# Altium PCB KS_V3S_0.2.PcbDoc (continued)
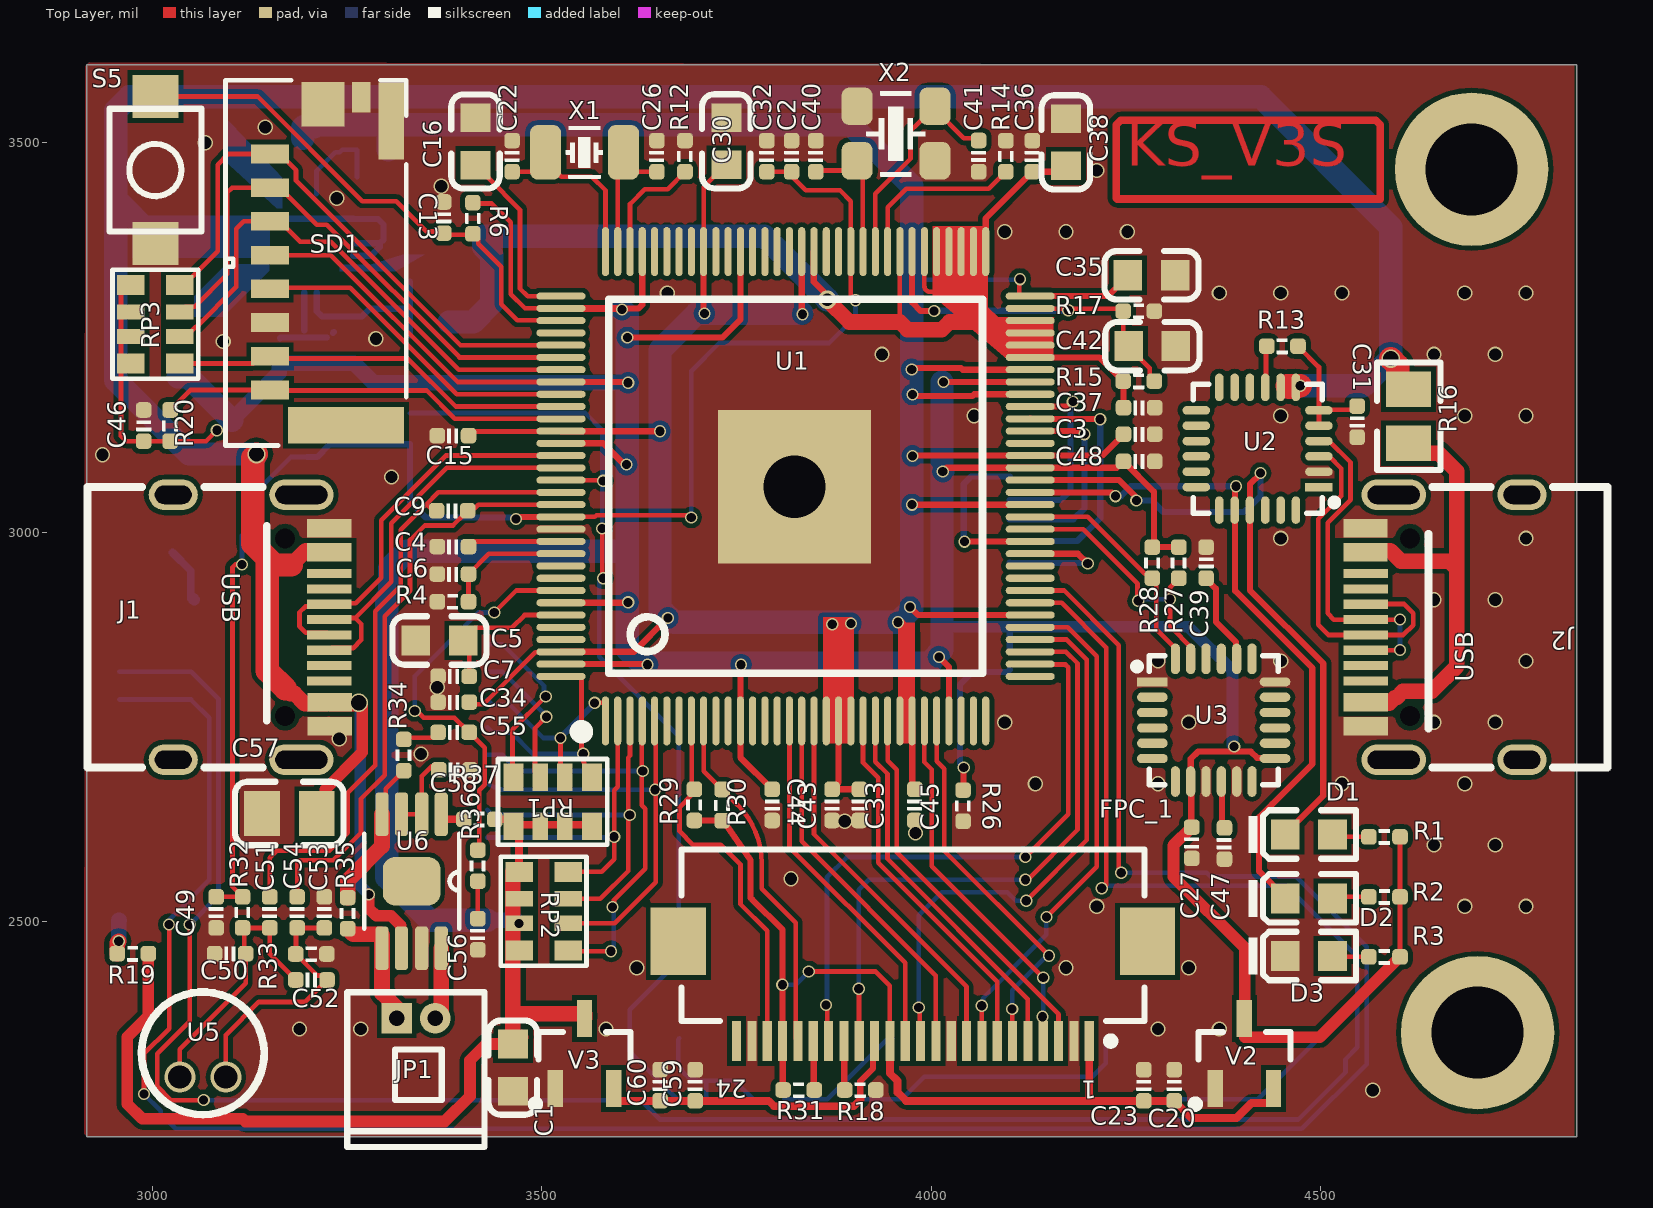
[diagram p0: Top Layer view]
## Part data
A1: "IPX"
C1 C2 C3 C4 C5 C6 C7 C8 C9 C10 C11 C12 C13 C14 C15 C16 C17 C18 C19 C20 C21 C22 C23 C24 C25 C26 C27 C28 C29 C30 C31 C32 C33 C34 C35 C36 C37 C38 C39 C40 C41 C42 C43 C44 C45 C46 C47 C48 C59 C60: library part CAP
C49 C50 C51 C52 C53 C54: library part CAP, "SMD-CAP"
C55: library part 电容-0603, "Capacitor"
C56 C57 C58: library part 电容-0402, "Capacitor"
D1 D2 D3: library part "0603 白灯", "发光二极管", Package=0603, SuppliersPartNumber=C2290, ComponentLink1Description=供应商链接, ComponentLink1URL=http://www.szlcsc.com/product/details_2663.html, Supplier=LC
EA1: library part EA3036
J1 J2: library part USB_C
JP1: library part "Header 2", "2P接插件", BOM名称=2P接插件, 学习资源=www.ooocke.com, 版权归属=源创客
L1 L2 L3: library part L1, "电感"
R1 R2 R3 R4 R5 R6 R7 R8 R9 R10 R11 R12 R14 R15 R17 R18 R19 R20 R26 R27 R28 R29 R30 R31 R32 R33: "Resistor", LatestRevisionDate=17-Jul-2002, LatestRevisionNote="Re-released for DXP Platform.", PackageReference=AXIAL-0.4, Published=8-Jun-2000, Publisher="Altium Limited"
R13: library part RES, "普通电阻"
R16: library part Res2, "Resistor", LatestRevisionDate=17-Jul-2002, LatestRevisionNote="Re-released for DXP Platform.", PackageReference=AXIAL-0.4, Published=8-Jun-2000, Publisher="Altium Limited"
R21 R22 R23 R24 R25: library part R
R34 R35 R36 R37: library part 电阻-0402, "Resistor"
RP1 RP2 RP3: library part 224, BOM名称=贴片网络排阻, 学习资源=www.ooocke.com, 版权归属=源创客
S1 S2 S3 S4 S5: library part SW-PB, "Switch", LatestRevisionDate=17-Jul-2002, LatestRevisionNote="Re-released for DXP Platform.", PackageReference=SPST-2, Published=24-Mar-1999, Publisher="Altium Limited"
U2: library part CP2104
U6: library part LM4871
V1 V2 V3: library part XC6206P332MR, "低压差线性稳压芯片", BOM名称=低压差线性稳压芯片, 学习资源=www.ooocke.com, 版权归属=源创客
X1: library part XTAL_32.768k, "Crystal Oscillator"
X2: library part XTAL_3225_4P, "Crystal Oscillator", Type=XTAL3225

## Free pads (board coordinates)
  round 196.85 hole 118.11: 2(4694,3466) 2(4701.63,2357.53)
  round 100 hole 80: 3(3824.5,3058.62)

## Via types
v1: diameter 15.75, hole 11.81, Top Layer to Bottom Layer, tented both sides, 85 vias
v2: diameter 19.68, hole 15.75, Top Layer to Bottom Layer, tented both sides, 60 vias
v3: diameter 23.62, hole 19.68, Top Layer to Bottom Layer, tented both sides, 3 vias
v4: diameter 23.62, hole 15.75, Top Layer to Bottom Layer, tented both sides, 1 vias

## Nets (pads, with @x,y where several pads share a name; then routed paths per layer and width w, separated by ;. In a path a pad name is that pad's centre, name@x,y a point inside that pad or via, vN(x,y) a via of type N, cw(c..) or ccw(c..) an arc to the next point about the centre after c; other vN are vias at no path point)
1V2: C3.1 C11.2 C12.1 C15.2 C30.1 C33.2 C34.2 C35.2 C43.2 C45.2 L1.2 R5.2 U1.19 U1.20 U1.21 U1.25 U1.26 U1.38 U1.47 U1.51 U1.56 U1.58 U1.64 U1.80 U1.88 U1.108 U1.126 | length 4787.8
  Top Layer w6: C15.2 3411.43,3129.38 3524.2,3129.38 U1.108 ; C34.2@3407,2779.33 3425.33,2779.33 3491.91,2845.91 3524.2,2845.91 U1.126 ; U1.88 3707.89,3443.56 3736.02,3471.68 C30.1 ; v1(4114,3325) 4113,3324 4113,3304.6 4114.41,3303.19 U1.64
  Top Layer w8: U1.126 3618.5,2846.5 v1(3662,2890) ; U1.108 3524.93,3129.81 3651.33,3129.81 v1@3651.52,3130 ; U1.88 3707.89,3282.11 v1(3709,3281) ; U1.80 3833.87,3281.13 v1(3835,3280) ; U1.20 3881.12,2678.66 3873,2670.54 C43.2 C33.2 ; U1.21 3896.87,2882.87 v1(3897,2883) ; v1(3957.5,2884.46) 3962.54,2884.46 3975.61,2871.39 U1.26 3975.81,2757.68 3975.81,2673.19 C45.2 ; v1(3973,2904) 3983.26,2893.74 U1.38 ; v1@3975,3035 v1(3975.47,3035.47) U1.47 ; v1(3975,3209) 3977.1,3209 3978.97,3210.87 4038.28,3210.87 4040.45,3208.7 U1.58 ; v1(3976,3098) 3976.46,3098.46 U1.51 4219.46,3098.46 4246.46,3125.46 4246.46,3126 C3.1 ; v1(3976,3177) 3978.1,3177 3979.97,3175.13 4053.14,3175.13 4055.22,3177.2 U1.56 ; U1.64 4226.86,3303.19 4252.69,3329.02 C35.2
  Bottom Layer w6: 3975,3324 4113,3324 v1(4114,3325)
  Bottom Layer w30: L1.2 3193.28,3519.31 3194.5,3520.53 3207.8,3520.53 3210.28,3523 3303,3523 ; R5.2 3303,3523 ; v1@3662.94,2890.94 3651.85,2902.04 v1(3651.85,3129.67) 3651.85,3233.85 3699,3281 v1(3709,3281) v1@3834,3281 ; 3669.42,2884.46 v1(3957.5,2884.46) v1@3975.02,2901.98 ; v1(3975,3209) 3975,3324 3975,3445 3897,3523 3335,3523 3303,3523 ; v1@3975.07,2904 v1@3975.07,3209
  other v1: 3873,2882
1V5: C59.1 C60.1 FPC_1.15 V3.2 | length 421
  Top Layer w8: C59.1@3695.61,2267 C59.1@3696.61,2266 ; 3909,2271.37 3909,2295.21 3925.47,2311.68 3925.47,2344.84 FPC_1.15
  Top Layer w10: V3.2 3592.4,2274.84 3597.24,2270 C60.1 3692.61,2270 C59.1@3695.61,2267 ; C59.1 3791.37,2270 3798.37,2263 3900.63,2263 3909,2271.37 3909.54,2271.91
1V8: C24.2 C25.1 C36.2 C37.2 C38.2 L3.2 R10.2 R15.1 U1.59 U1.60 U1.61 U1.62 U1.65 U1.66 U1.67 U1.68 U1.69 U1.70 U1.72 U1.79 | length 1417.1
  Top Layer w6: 3959.86,3277.48 U1.72 ; U1.70 3991.35,3315.98 ccw(c3998.48,3315.98) 3998.48,3308.85 4016.15,3308.85 4019,3306 ; 4052,3265 4057,3270
  Top Layer w8: U1.79 3849.42,3360.11 3849.42,3332.39 3849.35,3332.32 3849.35,3321.65 3866.58,3304.41 v4(3866.58,3298.58) ; U1.65 4070.09,3402.97 C36.2 4165.65,3462.87 C38.2 ; U1.59 4216.18,3224.45 R15.1 4246.81,3193.81 4246.81,3160.19 C37.2
  Top Layer w20: v4(3866.58,3298.58) 3866.58,3298.4 3894.99,3270 3959.86,3270 3969.7,3260.16 4013.76,3260.16 4023.61,3270 4057,3270
  Bottom Layer w30: 3381,3270 3412,3270 3436,3294 3436,3355.97 3425.28,3366.69 L3.2 3785.91,3380 3866.58,3299.33 v4(3866.58,3298.58)
2V8: C20.1 C23.1 FPC_1.1 FPC_1.14 FPC_1.21 R29.2 R30.2 R31.1 V2.2 | length 1372.8
  Top Layer w6: v1(3843,2436) 3928.98,2436 3947.06,2417.92 FPC_1.14
  Top Layer w8: R29.2 3696.11,2629.89 3731.53,2629.89 R30.2 3736.33,2625.09 3768.22,2579.17 3768.22,2530.78 3770.56,2528.44 3809.26,2489.74 ; v1@3809.26,2419 3809.26,2489.74 ; R31.1 3809.63,2284.37 3809.63,2346.38 FPC_1.21 3809.26,2489.74
  Top Layer w10: FPC_1.14 3947.06,2305.55 3957,2295.61 3957,2280.86 3967.86,2270 4205,2270 ; FPC_1.1 4202.96,2272.04 4205,2270 ; V2.2 4439.61,2272.06 4434.77,2267.22 4411.22,2267.22 4392,2248 4334,2248 C20.1 C23.1 4205,2270
  Bottom Layer w6: v1(3809,2419) 3826,2419 v1(3843,2436)
3V0: C2.1 C28.1 C29.1 C32.1 C49.1 R21.1 R32.2 U1.76 U1.115 V1.2 | length 1949.5
  Top Layer w6: C49.1 R32.2 3103.03,2544.97 3103.03,2954.93 3106.93,2958.83 3107.14,2958.62 v1(3115.23,2958.62) ; U1.115 3568.21,3019.72 3570.36,3021.87 3686.49,3021.87 3689.36,3019 v1(3692,3019) ; C32.1 3815.13,3462.87 3839,3439 3883,3439 3896.87,3425.13 U1.76 3896.87,3304.13 v1(3903,3298)
  Top Layer w8: v1(3467,3017) 3469.1,3017 3471.82,3019.72 U1.115
  Bottom Layer w6: v1(3115.23,2958.62) 3115.23,2996.36 3120.1,3001.23 3129,3010.13 3129,3047.73 3177.87,3096.6 V1.2 ; v1(3692,3019) 3692,3207 3728,3243 3869,3243 3903,3277 v1(3903,3298)
  Bottom Layer w8: V1.2 3211.78,3096.6 3228.18,3113 C29.1 C28.1 R21.1 3331,3039 3351,3019 3465,3019 v1(3467,3017)
3V3: C1.2 C18.2 C19.1 C27.1 C44.2 C46.2 C48.2 L2.2 R1.1 R2.1 R3.1 R6.2 R8.2 R19.1 R20.1 R27.2 R28.2 R37.1 RP1.5 RP1.6 RP1.7 RP1.8 RP2.1 RP2.2 RP2.3 RP2.4 RP3.1 RP3.2 RP3.3 RP3.4 SD1.4 ST7789.3 ST7789.4 U1.12 U1.29 U1.50 U1.57 U1.85 U1.93 U1.98 U1.104 U1.109 U1.122 U1.127 U3.8 U3.13 U4.9 U4.22 V1.3 V2.3 V3.3 | length 8091.6
  Top Layer w6: RP3.1 2969.8,3317.39 2960,3307.6 2960,3123.51 2966.51,3117 R20.1 3069,3117 v1(3083,3131) ; SD1.4 3229.25,3355.84 3392.14,3192.95 U1.104 ; R6.2 3412.82,3422 3436,3422 3460.13,3397.87 3460.13,3305.87 3478.56,3287.44 U1.98 ; R3.1 R2.1 R1.1
  Top Layer w8: U1.127 3635.25,2830.75 v1(3636,2830) ; U1.122 3610.49,2909.49 v1(3611,2910) ; U1.109 3578.79,3114.21 3606,3087 v1(3609,3087) ; U1.104 3610.05,3192.95 v1(3611,3192) ; U1.98 3624.46,3287.44 3629.15,3292.13 U1.93 ; v1(3610,3250) 3732,3250 3755.13,3273.13 U1.85 ; v1(3756,2830) 3755.13,2829.13 U1.12 3755.13,2710.87 C44.2 ; v1(4010,2840) 4022.85,2827.15 U1.29 ; v1(4015,3078) 4019.72,3082.72 U1.50 4238.18,3082.72 4246.46,3091 C48.2 4286,3052 4286,2983 R28.2 R27.2 ; v1(4016,3193) v1(4016,3193) U1.57 ; C27.1@4333.04,2623.04 4333.92,2623.92 4333.92,2679.31 U3.8 4333.23,2709.1 4342.6,2718.47 4410.6,2718.47 4418.83,2710.25 4440.77,2710.25 U3.13
  Top Layer w10: R37.1 3455.81,2631.5 RP1.5@3463.01,2624.3 ; RP2.1 3471.01,2616.29 RP1.5@3463.01,2624.29 ; 3550.39,2624.5 3463.22,2624.5 RP1.5@3463.01,2624.29
  Top Layer w15: R19.1 2995,2379 2968,2352 2968,2266 2987,2247 3116.08,2247 3119.45,2243.63 3375.63,2243.63 3408,2276 3408,2322 3429,2343 C1.2 ; C27.1 4311.1,2597.97 4311.1,2557.9 4402.6,2466.4 4402.6,2351.84 4498.84,2351.84 R3.1
  Top Layer w20: RP2.1@3463,2564 RP2.3@3463,2489.85 ; v1(3471.01,2497.86) 3463.45,2497.86 3463.29,2497.7 3463.29,2490.14 RP2.3@3463,2489.85 ; C1.2@3472.83,2351.84 3463.99,2343 C1.2 3463,2382 ; V3.3 3555,2381.84 3554.84,2382 3463,2382 ; 3463,2382 RP2.3@3463,2489.85
  Bottom Layer w8: R8.2@3198,3212 3232,3212 C19.1 ; ST7789.3 ST7789.4
  Bottom Layer w15: 4014.01,2877.01 4015.68,2878.68 ST7789.4 4330.32,2878.68 4387,2822 4387,2727 v1(4389,2725)
  Bottom Layer w20: 3102.03,3144 3163,3204.97 C18.2 3167,3217 3259,3217 3284,3192 3610,3192 v1(3611,3192) ; U4.22 3430.16,2501.68 3467.19,2501.68 v1(3471.01,2497.86)
  Bottom Layer w30: L2.2 3046.31,3199.72 3102.03,3144 ; U4.22 3356.17,2501.83 3301,2557 3301,2915.22 3304.67,2918.89 3304.67,2953.45 3326.75,2975.53 3608.53,2975.53 3610,2977 ; v1(3603,3286) 3610,3279 v1(3610,3250) 3610,3192 3610,2977 ; 3627.57,2832 3610,2849.57 3610,2977 ; v1@3636,2832 3998.8,2832 3998.8,2833.8 4014,2849 4014,2877 4014.01,3077.01 v1(4015,3078) ; v1@4014,3078 v1@4014,3193
5V: C10.1 C14.1 C17.1 C21.1 C57.2 EA1.7 EA1.8 EA1.9 EA1.10 EA1.16 EA1.18 EA1.19 J1.A4 J1.A9 J1.B4 J1.B9 R16.1 U2.7 U2.8 U6.6 | length 4017.7
  Top Layer w15: C57.2@3222.04,2633 3222.04,2669.81 3269.82,2717.59 3269.82,2775.97 3265,2780.8 v3(3265,2781) 3264.8,2781 3261.03,2777.23 J1.A9@3229.38,2777.23 ; v1(3278,2535) 3278,2517 3287.5,2507.5 3306.6,2507.5 3319,2495.1 3319,2467 U6.6
  Top Layer w20: 3171,2799 3176.98,2793.02 3182.62,2793.02 3195.91,2779.73 J1.A9@3223.69,2779.73 ; 3178.57,2957.99 3196.86,2976.27 J1.A4@3223.37,2976.27
  Top Layer w30: v3(3133.84,3100.41) 3129.23,3095.8 3129.23,2985.46 3147.69,2967 ; 3171,2799 3147.69,2822.31 3147.69,2967 ; 3178.57,2957.99 3156.7,2957.99 3147.69,2967 ; U2.7 4459,3186 4457,3188 v1(4473.9,3188) ; v3(4590,3223) 4599.06,3213.94 4599.06,3191.28 4606.9,3183.45 R16.1
  Bottom Layer w8: EA1.10 EA1.16 3258.35,3402.37 3289.63,3402.37 3297,3395 3297,3375.69 3292.31,3371 ; EA1.19 3258.35,3355.13 3280.87,3355.13 3292.31,3366.56 3292.31,3371 ; EA1.18 3292.31,3371
  Bottom Layer w15: v3(3265,2781) 3267,2779 3267,2546.2 3278,2535.2 v1(3278,2535)
  Bottom Layer w30: 2956,3425 2997,3384 2997,3381 ; v3(3133.84,3100.41) 3047.59,3100.41 2953,3195 2953,3425 2953,3541.43 2970.57,3559 4423,3559 4590,3392 v3(4590,3223) 4555,3188 v1(4473.9,3188)
5V_IN: J2.A4 J2.A9 J2.B4 J2.B9 R16.2 | length 556.2
  Top Layer w20: J2.A9@4561.78,2976.27 4589.55,2976.27 4602.84,2962.98 4665.02,2962.98 4675,2953 ; 4588.38,2780.72 4595.1,2787.44 4597.28,2787.44 4605.83,2796 4643,2796 4675,2828 4675,2953 ; R16.2 4625.83,3101.72 4651.28,3101.72 4675,3078 4675,2953
D+: J1.A6 J1.B6 U1.111 | length 499.7
  Top Layer w6: J1.B6 3230.37,2851.38 3257.86,2851.38 3268.25,2861.78 3268.25,2882.24 3260.58,2889.91 ; J1.A6 3229.53,2889.91 3260.58,2889.91 ; U1.111 3378.22,3082.72 3307,3011.5 3307,2936.33 3260.58,2889.91
D-: J1.A7 J1.B7 U1.110 | length 523.3
  Top Layer w6: J1.A7 3224.56,2871.07 3197.07,2871.07 3189,2879.14 3189,2897 3196.63,2904.63 3224.56,2904.63 J1.B7 3228.93,2909 3261.18,2909 3294,2941.83 3294,3015.47 3376.99,3098.46 U1.110
"DCMI RST": FPC_1.19 R31.2 | length 63.3
  Top Layer w8: FPC_1.19 3849.32,2346.06 3849.32,2284.68 R31.2
EPHY-LINK-LED: U1.77
EPHY-RTX: R12.2 U1.94 | length 148.9
  Top Layer w6: U1.94 3613.4,3421.4 3632.5,3440.5 3661.63,3440.5 R12.2
EPHY-RXN: U1.89
EPHY-RXP: U1.90
EPHY-SPD-LED: U1.78
EPHY-TXN: U1.91
EPHY-TXP: U1.92
GLED: D2.K U1.48 U2.20 | length 884.4
  Top Layer w8: U1.48 4231.78,3051.22 v1(4236.62,3046.38) ; v1(4391.44,3059) 4390.21,3057.77 4390.21,3028.52 4390.21,2924.99 4489.42,2825.78 4489.42,2702.42 4438,2651 4421,2634 4421,2564.67 4454.69,2530.98 D2.K
  Bottom Layer w8: v1(4236.62,3046.38) 4243.71,3046.38 4256.33,3059 v1(4391.44,3059)
GND: C1.1 C2.2 C3.2 C4.2 C5.1 C6.2 C7.1 C8.2 C10.2 C11.1 C13.2 C14.2 C15.1 C16.2 C17.2 C18.1 C20.2 C21.2 C22.2 C23.2 C24.1 C26.2 C27.2 C28.2 C29.2 C30.2 C31.2 C32.2 C33.1 C34.1 C35.1 C36.1 C37.1 C38.1 C39.2 C40.2 C41.2 C42.2 C43.1 C44.1 C45.1 C46.1 C47.1 C48.1 C49.2 C50.1 C53.1 C56.1 C57.1 C58.1 C59.2 C60.2 D3.K EA1.1 EA1.4 EA1.5 EA1.12 EA1.13 EA1.15 EA1.17 EA1.21 FPC_1.2 FPC_1.10 FPC_1.23 J1.A1 J1.A12 J1.B1 J1.B12 J2.A1 J2.A12 J2.B1 J2.B12 pad.3 R4.2 R7.1 R9.1 R11.1 R12.1 R14.1 R17.1 R18.2 R26.2 R33.2 S1.1 S2.1 S3.1 S4.1 S5.2 SD1.6 SD1.10 ST7789.1 ST7789.5 ST7789.6 ST7789.12 U1.116 U1.129 U2.2 U3.1 U3.9 U3.11 U3.18 U4.1 U4.3 U4.20 U4.31 U4.33 U4.36 U4.41 U4.44 U6.7 V1.1 V2.1 V3.1 X2.2 X2.4
  other v2: 4566.93,2283.47 3188.98,2362.21 3267.72,2362.21 3582.68,2362.21 4291.34,2362.21 4370.08,2362.21 3622.05,2440.95 4173.23,2440.95 4330.71,2440.95 4212.6,2519.69 4685.04,2519.69 4763.78,2519.69 3820,2555 4645.67,2598.43 4724.41,2598.43 3980,2614 3889,2629 4133.86,2677.17 4291.34,2677.17 4527.56,2677.17 4685.04,2677.17 3345.15,2715.41 3240,2735 4094.49,2755.91 4330.71,2755.91 4645.67,2755.91 4724.41,2755.91 3366,2801 4291.34,2834.65 4448.82,2834.65 4763.78,2834.65 4645.67,2913.39 4724.41,2913.39 4448.82,2992.13 4763.78,2992.13 3307.09,3070.87 2936.15,3099.41 4055.12,3149.61 4448.82,3149.61 4685.04,3149.61 4763.78,3149.61 3937.01,3228.35 4645.67,3228.35 4724.41,3228.35 3091,3245 3287.15,3248.41 3661.42,3307.09 4370.08,3307.09 4448.82,3307.09 4527.56,3307.09 4685.04,3307.09 4763.78,3307.09 4094.49,3385.83 4173.23,3385.83 4251.97,3385.83 3237,3429 3371.15,3444.41 4212.6,3464.57 3068,3500 3145,3520
HBIAS: U1.119
HPCOM: U1.125
HPCOMFB: U1.124
HPOUTL: C55.2 R36.2 U1.121 | length 522.2
  Top Layer w6: v1(3337.15,2770.58) 3339.78,2770.58 3348.37,2762 3388,2762 C55.2 3426.93,2723.07 3426.93,2675.93 3420,2669 3420,2594 R36.2 ; v1(3439,2897) 3467.24,2925.24 U1.121
  Bottom Layer w6: v1(3337.15,2770.58) 3337.15,2815.41 3418.74,2897 v1(3439,2897)
HPOUTR: U1.120
HPVCCBP: C5.2 C7.2 U1.123 | length 189.2
  Top Layer w6: C7.2 3407,2853 C5.2 3399,2861.98 3414.31,2877.29 3461.59,2877.29 3478.04,2893.74 ; 3478.09,2893.74 U1.123
KEYADC0: C8.1 R21.2 R22.2 U1.112 | length 1271.2
  Top Layer w6: U1.112 3577.03,3066.97 3578,3066 v1(3579,3066) ; v1(3577.57,3004.77) 3577.57,2942.43 v1(3579,2941)
  Bottom Layer w6: R21.2 3331.07,3153.07 C8.1 C8.1 3555.85,3153.15 3578,3131 3578,3067 v1(3579,3066) 3577.57,3064.57 v1(3577.57,3004.77) ; v1(3579,2941) 3577.51,2941 3574,2937.49 3574,2840 3676,2738 3676,2444.51 3672.49,2441 3667,2441 3613,2387 3613,2333 R22.2
MCSI-CKN: U1.87
MCSI-CKP: U1.86
MCSI-D0N: U1.82
MCSI-D0P: U1.81
MCSI-D1N: U1.84
MCSI-D1P: U1.83
MICIN1N: C9.1 C54.2 U1.114 | length 755.9
  Top Layer w6: C54.2 3186,2575.5 3189.51,2579.01 3232.52,2579.01 3268,2614.49 3268,2657.74 3298.32,2688.06 3298.32,2892.32 3331,2925 3331,2990 3349.67,3008.67 3386.04,3008.67 3400.37,3023 3406,3023 3418.47,3035.47 U1.114
MICIN1P: C9.2 C51.2 U1.113 | length 825.9
  Top Layer w6: C51.2 3151,2582 3160.01,2591.01 3227.55,2591.01 3251,2614.46 3251,2665.34 3286.32,2700.66 3286.32,2898.69 3319,2931.36 3319,3003 3351,3035 ; C9.2@3366,3023 3364.92,3023 3352.92,3035 3351,3035 ; U1.113 3367.22,3051.22 3351,3035
NetA1_1: A1.1 U4.2 | length 72.1
  Bottom Layer w10: A1.1 3049.59,2950.41 3049.59,2917.68 U4.2
  Bottom Layer w15: U4.2 U4.2@3053.86,2913.41
NetC12_2: C12.2 EA1.14 R5.1 R7.2 | length 128.2
  Bottom Layer w6: EA1.14 3210.98,3463.98 C12.2 3234.77,3487.77 3240.77,3487.77 3244,3491 R5.1 R7.2
NetC19_2: C19.2 EA1.3 R8.1 R9.2 | length 110.8
  Bottom Layer w8: R9.2 3165,3250 C19.2@3224,3250 ; R8.1@3195.11,3259.11 3195.11,3307.88 EA1.3 ; C19.2@3232,3256 C19.2@3233,3257
NetC25_2: C25.2 EA1.2 R10.1 R11.2 | length 220.1
  Bottom Layer w8: EA1.2 3211.11,3307.88 3211.11,3283.89 3218,3277 3269.23,3277 3279.23,3287 R10.1 ; C25.2 R10.1 ; R11.2 R10.1
NetC31_1: C31.1 R13.2 U2.5 U2.6 | length 164.7
  Top Layer w6: R13.2 4497.9,3212.1 U2.6 ; U2.5 U2.6 ; C31.1 4542.43,3157.43 4498.86,3157.43 U2.6
NetC39_1: C39.1 U3.20 | length 119.8
  Top Layer w8: C39.1 4353,2940.46 4365.69,2927.77 4365.69,2884.94 4391.56,2859.07 4391.56,2838.2 U3.20
NetC47_2: C47.2 U3.10 | length 56.6
  Top Layer w8: U3.10 4373.33,2679.26 C47.2@4373.33,2623.74
NetC50_2: C50.2 C51.1 C52.1 R32.1 U5.2 | length 343.7
  Top Layer w6: U5.2 3035.47,2336.47 3120,2421 C50.2 3118,2461 3118,2490 R32.1 C51.1 3151,2458.65 C52.1
NetC52_2: C52.2 C53.2 C54.1 R33.1 U5.1 | length 336.4
  Top Layer w6: U5.1 3094.53,2354.53 3137,2397 3196.21,2397 C52.2 3218.66,2430.98 3211.82,2430.98 R33.1 ; R33.1@3183,2459 3184.5,2460.5 3184.5,2490.5 C54.1 C53.2
NetC55_1: C55.1 R34.1 | length 31.7
  Top Layer w6: 3334,2736.33 C55.1@3365.67,2736.33
NetC56_2: C56.2 R36.1 | length 48
  Top Layer w6: C56.2 R36.1
NetC58_2: C58.2 U6.2 U6.3 | length 100.2
  Top Layer w6: U6.3 U6.2 3346,2687 3358.23,2699.23 3360.15,2699.23 C58.2@3363.04,2702.12 ; C58.2@3365.93,2693.11 C58.2@3365.93,2695.03
NetD1_A: D1.A R1.2 | length 47.9
  Top Layer w6: D1.A 4518.32,2609 R1.2
NetD2_A: D2.A R2.2 | length 47.5
  Top Layer w6: D2.A 4517.32,2532 R2.2
NetD3_A: D3.A R3.2 | length 47.1
  Top Layer w6: D3.A 4516.32,2455 R3.2
NetEA1_6: EA1.6 L2.1
NetEA1_11: EA1.11 L1.1
NetEA1_20: EA1.20 L3.1
NetJP1_1: JP1.1 R35.2 U6.5 | length 161.9
  Top Layer w20: R35.2 3258,2484 3293.5,2484 3295,2482.5 U6.5 3295,2408.39 3314,2389.39 JP1.1
NetJP1_2: JP1.2 U6.8 | length 84.4
  Top Layer w20: JP1.2@3371,2381.61 U6.8
NetR13_1: R13.1 U2.9 | length 53.8
  Top Layer w6: U2.9 4429.96,3186.96 4429.96,3237.96 R13.1
NetR19_2: R19.2 U4.34 | length 44.1
  Top Layer w20: R19.2 2955,2473 v1(2957,2475)
  Bottom Layer w20: v1(2957,2475) 2957,2501.68 2957.16,2501.83 U4.34
NetR22_1: R22.1 R23.2 S1.2 | length 173.6
  Bottom Layer w6: S1.2 3675.42,2348.79 3675.42,2324.58 ccw(c3704,2324.58) 3704,2296 3711.46,2296 ; R22.1 3711.46,2274.54 3711.46,2296 ; R23.2 3747.5,2296 3711.46,2296
NetR23_1: R23.1 R24.2 S2.2 | length 171.4
  Bottom Layer w6: R23.1 R24.2 3944.94,2350.19 S2.2
NetR24_1: R24.1 R25.2 S3.2 | length 368.6
  Bottom Layer w6: R24.1 R25.2 3991,2301 4207,2301 4224.15,2318.15 S3.2
NetR25_1: R25.1 S4.2 | length 528.2
  Bottom Layer w6: R25.1 4419.63,2272 S4.2
NetR26_1: R26.1 ST7789.2 | length 207.6
  Top Layer w8: R26.1@4041,2671 4041.5,2671.5 4041.5,2697.5 v1(4042,2698)
  Bottom Layer w8: v1(4042,2698) 4037,2703 4037,2804 4053.67,2820.67 4098.11,2820.67 ST7789.2
NetR34_2: R34.2 R35.1 U6.4 | length 192.8
  Top Layer w6: U6.4 3299.73,2642.73 3299.73,2670.73 R34.2
  Top Layer w20: R35.1 3251,2553 3295,2597 U6.4
NetR37_2: R37.2 U6.1 | length 33.4
  Top Layer w10: U6.1 3371,2635 3374.5,2631.5 R37.2
NetRP1_3: RP1.3 U4.13 | length 187.4
  Top Layer w6: RP1.3 3491.41,2692.34 3491.41,2747.78 3491.09,2748.09 v1(3506,2763)
  Bottom Layer w6: U4.13 3449.69,2820.73 3506,2764.42 v1(3506,2763)
NetRP1_4: RP1.4 U4.12 | length 231.4
  Top Layer w6: RP1.4 3462.5,2686.6 3462.5,2746.5 v1(3505.14,2789.14)
  Bottom Layer w6: U4.12 3449.69,2856.17 3503,2802.85 3503,2796 3503.28,2795.72 3503.28,2791.01 v1(3505.14,2789.14)
PB0/UART2_TX/PB_EINT0: U1.39 U4.43 | length 3188.1
  Top Layer w6: v1(3048.12,2496.37) 3048.12,2372.15 3006.47,2330.5 3006.47,2288.55 3024.03,2271 v1(3066,2271) ; U1.39 4167.51,2909.49 4225,2852 v1@4225,2547
  Bottom Layer w6: U4.43 3050.27,2820.73 3085,2786 3085,2533.25 v1(3048.12,2496.37) ; v1(3066,2271) 3627,2271 3652,2246 4471,2246 4532,2307 4532,2323.56 4547.18,2338.74 4547.18,2454.82 4456,2546 4222,2546 v1(4219,2543)
PB1/UART2_RX/PB_EINT1: U1.40 U4.42 | length 3208.1
  Top Layer w6: v1(2989.37,2278.85) 2989.37,2330.37 3021.68,2362.68 v1(3021.68,2496.46) ; U1.40 4170.76,2925.24 4241,2855 v1@4241,2563
  Bottom Layer w6: U4.42 3049.7,2785.3 3073,2762 3073,2554 3021.68,2502.68 v1(3021.68,2496.46) ; v1(2989.37,2278.85) 3010.79,2257.43 3010.79,2253.55 3030.34,2234 4475.97,2234 4559.18,2317.21 4559.18,2467.82 4469,2558 4359,2558 4354,2563 v1(4244,2563)
PB2/UART2_RTS/PB_EINT2: U1.41
PB3/UART2_CTS/PB_EINT3: U1.42
PB4/PWM0/PB_EINT4: ST7789.7 U1.43 | length 179.5
  Top Layer w8: U1.43 4188.52,2972.48 v1(4201,2960)
  Bottom Layer w8: ST7789.7 4101.68,2960.68 4200.32,2960.68 v1(4201,2960)
PB5/PWM1/PB_EINT5: ST7789.11 U1.44 | length 221.8
  Top Layer w8: v1(4042.88,2988) 4042.99,2988.11 4127.1,2988.11 U1.44
  Bottom Layer w8: v1(4042.88,2988) 4042,2988.88 4042,3062 4051.59,3071.59 ST7789.11
PB6/TWI0_SCK/PB_EINT6: R27.1 U1.45 U3.23 | length 349.6
  Top Layer w6: U1.45 4195.02,3003.98 4265,2934 4265,2913 v1(4266,2912) ; R27.1 4318,2939.92 4306.63,2928.55 v1(4306.63,2914) 4306.63,2882.14 ccw(c4313.61,2882.14) 4308.68,2877.2 4333.23,2852.65 U3.23
  Bottom Layer w6: v1(4266,2912) 4268,2914 v1(4306.63,2914)
PB7/TWI0_SDA/PB_EINT7: R28.1 U1.46 U3.24 | length 307.8
  Top Layer w6: U1.46 4201.28,3019.72 4274.23,2946.77 4278.23,2946.77 R28.1@4285.83,2939.17 ; R28.1 4289.17,2935.83 4289.17,2875.49 4313.55,2851.11 U3.24
PB9/TWI1_SDA/UART0_RX/PB_EINT9: D1.K U1.49 U2.21 | length 881.5
  Top Layer w8: U1.49 4241.31,3066.97 4263.52,3044.76 v1(4263.52,3040.91) ; v1(4423,3076) 4423,3075.26 4409.31,3061.58 U2.21 4409.31,2925.68 4503.42,2831.58 4503.42,2661.72 4454.69,2612.98 D1.K
  Bottom Layer w8: v1(4263.52,3040.91) 4283.2,3040.91 4298.11,3026 4402,3026 4423,3047 v1(4423,3076)
PC0/SPI_MISO: U1.52
PC1/SPI_CLK: ST7789.9 U1.53 | length 268.4
  Top Layer w8: U1.53 4193.04,3129.96 v1(4197,3126)
  Bottom Layer w8: ST7789.9 4182.47,3016.47 4197,3031 v1(4197,3126)
PC2/SPI_CS: ST7789.8 U1.54 | length 345.1
  Top Layer w8: U1.54 4127.41,3145.51 4216.49,3145.51 v1(4217,3145)
  Bottom Layer w8: ST7789.8 4187.91,2988.91 4217,3018 v1(4217,3145)
PC3/SPI_MOSI: ST7789.10 U1.55 | length 255.6
  Top Layer w8: U1.55 4175.71,3161.46 v1(4181.96,3167.71)
  Bottom Layer w8: ST7789.10 4166.28,3041.28 4179,3054 4179,3164.74 v1(4181.96,3167.71)
PE0/CSI_PCLK/LCD_CLK: FPC_1.8 U1.37 | length 656
  Top Layer w6: v1(4065,2392) 4065.08,2391.92 4065.08,2346.83 FPC_1.8 ; U1.37 4175.49,2877.99 4212.5,2840.98 4212.5,2570.5 v1(4148,2506)
  Bottom Layer w6: v1(4065,2392) 4066.78,2393.78 4066.78,2402.08 4148,2483.3 v1(4148,2506)
PE1/CSI_MCLK/LCD_DE: FPC_1.12 U1.36 | length 742.6
  Top Layer w6: v1(3984,2390) 3985.21,2388.79 3985.21,2347.96 FPC_1.12 ; v1(4122,2527) 4199.93,2604.93 4199.93,2836.59 4174.27,2862.24 U1.36
  Bottom Layer w6: v1(3984,2390) 3984,2508.33 4013.67,2538 4097.99,2538 4108.99,2527 v1(4122,2527)
PE2/CSI_HSYNC/LCD_HSYNC: FPC_1.16 U1.35 | length 787.9
  Top Layer w6: v1(3907,2414) 3907.34,2413.66 3907.34,2347.09 FPC_1.16 ; v1(4121,2554) 4124,2554 4187.93,2617.93 4187.93,2831.62 4173.05,2846.5 U1.35
  Bottom Layer w6: v1(3907,2414) 3907,2541 3920,2554 v1(4121,2554)
PE3/CSI_VSYNC/LCD_VSYNC: FPC_1.18 U1.34 | length 794.6
  Top Layer w6: v1(3865,2393) 3866.66,2391.34 3866.66,2348.41 FPC_1.18 ; v1(4121,2583) 4175.93,2637.93 4175.93,2826.65 4172.41,2830.16 4127.8,2830.16 U1.34
  Bottom Layer w6: v1(3865,2393) 3866.22,2394.22 3866.22,2557.22 3892,2583 v1(4121,2583)
PE4/CSI_D0/LCD_D2: U1.33
PE5/CSI_D1/LCD_D3: U1.32
PE6/CSI_D2/LCD_D4: U1.31
PE7/CSI_D3/LCD_D5: U1.30
PE8/CSI_D4/LCD_D6: FPC_1.6 U1.28 | length 492.6
  Top Layer w6: U1.28 4007.1,2706.3 4017,2696.4 4017,2590.83 v1(4151.44,2456.39) ; v1(4104,2388) 4104.27,2387.73 4104.27,2347.02 FPC_1.6
  Bottom Layer w6: v1(4104,2388) 4104,2412.05 4148.34,2456.39 v1(4151.44,2456.39)
PE9/CSI_D5/LCD_D7: FPC_1.4 U1.27 | length 475.1
  Top Layer w6: U1.27 3991.35,2705.07 4001,2695.43 4001,2571.24 v1(4144.03,2428.21) ; v1(4143.03,2378.03) 4143.47,2377.6 4143.47,2347.18 FPC_1.4
  Bottom Layer w6: v1(4143.03,2378.03) 4144.03,2379.03 v1(4144.03,2428.21)
PE10/CSI_D6/LCD_D10: FPC_1.3 U1.24 | length 502
  Top Layer w6: U1.24 3944.11,2706.83 3956,2694.94 3956,2588.93 4163.59,2381.34 FPC_1.3
PE11/CSI_D7/LCD_D11: FPC_1.5 U1.23 | length 492.3
  Top Layer w6: U1.23 3928.36,2705.61 3944,2689.97 3944,2580.97 4124.22,2400.75 FPC_1.5
PE12/CSI_D8/LCD_D12: FPC_1.7 U1.22 | length 482.5
  Top Layer w6: U1.22 3912.61,2704.39 3932,2685 3932,2576 4084.85,2423.15 FPC_1.7
PE13/CSI_D9/LCD_D13: FPC_1.9 U1.18 | length 492.3
  Top Layer w6: U1.18 3849.62,2612.38 4045.48,2416.52 FPC_1.9
PE14/CSI_D10/LCD_D14: FPC_1.11 U1.17 | length 482.5
  Top Layer w6: U1.17 3833.87,2603.13 4006.11,2430.89 FPC_1.11
PE15/CSI_D11/LCD_D15: FPC_1.13 U1.16 | length 472.7
  Top Layer w6: U1.16 3818.13,2595.87 3966.74,2447.26 FPC_1.13
PE16/CSI_D12/LCD_D18: U1.15
PE17/CSI_D13/LCD_D19: U1.14
PE18/CSI_D14/LCD_D20: U1.13
PE19/CSI_D15/LCD_D21: U1.11
PE20/CSI_FIELD/CSI_MIPI_MCLK: U1.10
PE21/CSI_SCK/TWI1_SCK/UART1_TX: FPC_1.20 R30.1 U1.9 | length 456.3
  Top Layer w6: U1.9 3707.89,2693.11 R30.1@3731,2670 ; R30.1 3751.62,2649.79 3751.67,2649.75 cw(c3677.29,2575.37) 3782.47,2575.37 3782.47,2542.53 3826.13,2498.87 3826.13,2349.57 FPC_1.20
PE22/CSI_SDA/TWI1_SDA/UART1_RX: FPC_1.22 R29.1 U1.8 | length 485.6
  Top Layer w6: U1.8 3692.73,2757.3 3692.73,2662.73 3677,2647 3677,2616 3694,2599 3730,2599 3755.22,2573.78 3755.22,2522.78 3789.58,2488.42 FPC_1.22
PE23/LCD_D22: U1.7
PE24/LCD_D23: U1.6
PF0/SDC0_D1/JTAG_MS1: R20.2 SD1.8 U1.107 | length 527.7
  Top Layer w6: R20.2 3048.61,3182.61 SD1.8 3151.78,3182 3352.18,3182 3388.47,3145.71 U1.107
PF1/SDC0_D0/JTAG_DI1: RP3.5 SD1.7 U1.106 | length 519.9
  Top Layer w6: RP3.5 3129.35,3216.61 3138.67,3225.92 SD1.7 3154.09,3223 3328.15,3223 3389.69,3161.46 U1.106
PF2/SDC0_CLK/UART0_TX: SD1.5 U1.105 | length 430.9
  Top Layer w6: SD1.5 3152.63,3314 3254.12,3314 3390.91,3177.2 U1.105
PF3/SDC0_CMD/JTAG_DO1: RP3.6 SD1.3 U1.103 | length 673.1
  Top Layer w6: RP3.6 3043.37,3251.25 3056.02,3263.91 3056.94,3263.91 3108,3314.97 3108,3389.48 3117.67,3399.15 SD1.3 3163.67,3399.15 3189.82,3373 3229.06,3373 3393.36,3208.7 U1.103
PF4/SDC0_D3/UART0_RX: RP3.7 SD1.2 U1.102 | length 707.2
  Top Layer w6: RP3.7 3042.34,3289.59 3054.46,3289.59 3096,3331.13 3096,3436 3102.46,3442.46 SD1.2 3163.67,3442.46 3211.12,3395 3224.03,3395 3394.58,3224.45 U1.102
PF5/SDC0_D2/JTAG_CK1: RP3.8 SD1.1 U1.101 | length 733.7
  Top Layer w6: RP3.8 3040.42,3317.39 3084,3360.98 3084,3472 3097.76,3485.76 3163.67,3485.76 3184.67,3464.76 3184.67,3451.33 3395.8,3240.2 U1.101
"PF6/USB ID": U1.100
PG0/SDC1_CLK/PG_EINT0: RP2.6 U1.5 U4.17 | length 560.4
  Top Layer w6: RP2.6 3593.86,2497.86 3646.56,2550.56 3646.56,2669.32 3646.56,2756.22 U1.5
  Bottom Layer w6: U4.17 ccw(c3453.38,2702.38) U4.17@3453.38,2669.32 ; U4.17@3453.43,2669.32 v1(3645.45,2669.32)
PG1/SDC1_CMD/PG_EINT1: RP2.5 U1.4 U4.16 | length 581.9
  Top Layer w6: RP2.5 3535.21,2462 v1(3589,2462) ; v1(3591.07,2518.93) 3592.93,2520.8 3592.93,2527.93 3633,2568 3633,2645 3628.57,2649.43 3628.57,2757.31 U1.4
  Bottom Layer w6: U4.16 3449.69,2714.43 3456.53,2707.59 3456.53,2706.47 3469.44,2693.57 v1(3629.69,2693.57) ; v1(3589,2462) 3592.55,2465.55 3592.55,2517.45 v1(3591.07,2518.93)
PG2/SDC1_D0/PG_EINT2: RP2.7 U1.3 U4.18 | length 471.4
  Top Layer w6: RP2.7 3575.35,2529.35 3611.13,2565.13 3611.13,2710.62 3613.4,2712.89 U1.3
  Bottom Layer w6: U4.18 3436.57,2637 v1(3613,2637)
PG3/SDC1_D1/PG_EINT3: RP2.8 U1.2 U4.19 | length 408.8
  Top Layer w6: RP2.8 3577,2564 3593,2580 v1(3593,2609) 3593,2668.54 3597.65,2673.19 U1.2
  Bottom Layer w6: U4.19 3592.13,2608.13 v1(3593,2609)
PG4/SDC1_D2/PG_EINT4: RP1.2 U1.1 U4.14 | length 266.8
  Top Layer w6: v1(3524.1,2735.86) 3524.1,2691.15 RP1.2 ; v1(3568,2781) 3580.49,2781 3581.91,2779.59 U1.1
  Bottom Layer w6: U4.14 3436.84,2778.46 3459.33,2778.46 3501.93,2735.86 v1(3524.1,2735.86)
  Bottom Layer w8: v1(3524.1,2735.86) 3524.1,2736.48 3568,2780.38 v1(3568,2781)
PG5/SDC1_D3/PG_EINT5: RP1.1 U1.128 U4.15 | length 296.2
  Top Layer w6: U1.128 3546.59,2815 3551.23,2810.36 3551.23,2788.09 3551.13,2787.99 3551.13,2717.88 v1(3553.27,2715.73) 3553.27,2705.45 3554.6,2704.12 3554.6,2695.29 RP1.1
  Bottom Layer w6: U4.15 3436.84,2743.02 3460.92,2743.02 3488.22,2715.73 v1(3553.27,2715.73)
PWDN: FPC_1.17 R18.1 | length 63.2
  Top Layer w8: FPC_1.17 3888.5,2346.25 3888.5,2284.5 R18.1
RESET: C13.1 R6.1 S5.1 U1.99 | length 673.7
  Top Layer w6: S5.1 3135.35,3559.49 3269.84,3425 3313.47,3425 3352.38,3386.09 3369.49,3386.09 3369.49,3382.16 3412.66,3382.16 3418.42,3376.4 3418.42,3370.63 3448.13,3340.93 3448.13,3293.03 3468.89,3272.28 3524.2,3272.28 U1.99
RTC-VIO: C16.1 U1.97 | length 239.3
  Top Layer w6: C16.1 3415.98,3471.37 3431.29,3456.06 3431.29,3455.08 3472.13,3414.24 3472.13,3313 3481.94,3303.19 U1.97
SVREF: C42.1 R15.2 R17.2 U1.63 U1.71 | length 498
  Top Layer w6: U1.63 4127.8,3286.86 4243.77,3286.86 R17.2 4246.63,3246.06 C42.1 4253.69,3238.02 4280.86,3210.84 4280.86,3199.77 R15.2
  Top Layer w8: U1.71 3975.61,3295.12 3986.69,3284.03 v1(4003.87,3284.03)
  Bottom Layer w8: v1(4003.87,3284.03) 4004.36,3284.52 4175.52,3284.52 v1(4176,3285)
SZQ: R14.2 U1.73 | length 227.6
  Top Layer w6: U1.73 3944.11,3417.11 3968,3441 4074.13,3441 R14.2
USB_DM_2: J2.A7 J2.B7 U2.4 | length 437.4
  Top Layer w6: U2.4 4510.94,3117.1 4538.49,3089.56 4538.49,3041.67 4509,3012.19 4509,2896 4517.16,2887.84 J2.A7 4598.84,2887.84 4599,2888 v1(4602,2888) ; J2.B7 4558.27,2848.73 4601.73,2848.73 v1(4602,2849)
  Bottom Layer w6: v1(4602,2849) v1(4602,2888)
USB_DP_2: J2.A6 J2.B6 U2.3 | length 461.9
  Top Layer w6: U2.3 4510.94,3097.42 4526.49,3081.87 4526.49,3046.65 4496.85,3017.01 4496.85,2881.15 4509.85,2868.15 J2.A6 4606.15,2868.15 4618.87,2880.87 4618.87,2896.13 4607,2908 4558.48,2908 J2.B6
VAR1: C4.1 U1.117 | length 121.5
  Top Layer w6: C4.1 3407.14,2981.67 3413.7,2988.23 U1.117
VAR2: C6.1 R4.1 U1.118 | length 164.9
  Top Layer w6: R4.1 C6.1 3432.2,2972.48 U1.118
X24MIN: C40.1 U1.75 X2.1 | length 178.5
  Top Layer w6: C40.1 3853.5,3464.37 3892.5,3464.37 X2.1 3912.31,3469.57 3912.31,3360.61 U1.75
X24MOUT: C41.1 U1.74 X2.3 | length 294.8
  Top Layer w6: U1.74 3928.36,3434.36 3973.5,3479.5 3973.5,3515.5 3982,3524 3982.34,3524 X2.3@4005,3546.66 ; X2.3 X2.3@4005,3546.66 ; C41.1 4058.13,3505.87 4042,3505.87 4005,3542.87 X2.3@4005,3546.66
X32KIN: C22.1 U1.96 X1.2 | length 232.3
  Top Layer w6: C22.1 3488.53,3462.87 X1.2@3505,3479.34 ; X1.2 X1.2@3505,3479.34 ; U1.96 3581.91,3439.09 3564.35,3456.65 3525.01,3456.65 3505,3476.66 X1.2@3505,3479.34
X32KOUT: C26.1 U1.95 X1.1 | length 189
  Top Layer w6: U1.95 3597.83,3360.48 3597.83,3480.7 X1.1 3605,3479.34 3621.47,3462.87 C26.1
pads on no net: A1.2 FPC_1.24 FPC_1.25 FPC_1.26 J1.0 J1.1 J1.A5 J1.A8 J1.B5 J1.B8 J2.0 J2.1 J2.A5 J2.A8 J2.B5 J2.B8 SD1.9 U2.1 U2.10 U2.11 U2.12 U2.13 U2.14 U2.15 U2.16 U2.17 U2.18 U2.19 U2.22 U2.23 U2.24 U3.2 U3.3 U3.4 U3.5 U3.6 U3.7 U3.12 U3.14 U3.15 U3.16 U3.17 U3.19 U3.21 U3.22 U4.4 U4.5 U4.6 U4.7 U4.8 U4.10 U4.11 U4.21 U4.23 U4.24 U4.25 U4.26 U4.27 U4.28 U4.29 U4.30 U4.32 U4.35 U4.37 U4.38 U4.39 U4.40 U6.9
copper on no net: | length 872.1
  Top Layer w10: 4237.69,3429.31 4237.69,3433.86 4237.69,3523.14 4243.55,3529 4570.7,3529 4576.56,3523.14 4576.56,3428 4570.7,3428 4239,3428 4237.69,3429.31

## Polygon pours and split planes (outlines as drawn)
GND on Bottom Layer "GND_L02_P002" (solid, pour order 2): 2915.19,3596 4828.59,3593 4828.59,2224 2915.59,2224 2916.59,3611 2918.59,3613
GND on Top Layer "GND_L01_P000" (solid, pour order 0): 2913.94,3603.23 4825.94,3600.23 4825.94,2224.23 2912.94,2224.23 2913.94,3611.23 2915.94,3613.23

## Other copper
Top Layer:
  rectangle net 1V2: 3957.5,2729 3979,2884.46
  rectangle net 1V2: 3861,2729 3899,2891
  rectangle net 3V3: 3496.04,3283 3600,3291.86
  region net 1V8: 4002,3331 4002,3303.86 4098,3222 4157,3222 4157,3275 4158,3276 4086,3276 4073,3289 4073,3393 4002,3393
  text "KS_V3S" at 4250.33,3451.73 h95
Bottom Layer:
  rectangle net 5V: 2974,3352 3151,3407
  region net NetEA1_20: 3241,3335.27 3312.72,3335.27 3349,3356 3321,3356 3279.6,3343.77 3241,3343.77
  region net NetEA1_11: 3167,3416 3167,3455 3092,3535 3092,3478 3160,3416
  region net NetEA1_6: 3150,3344 3095,3344 3054,3303 3054,3277 3091,3277 3150,3336
  region: 3240,3375

## Silkscreen, mask and mechanical layers (free items; w line width, h text height)
Top Solder:
  rectangle: 4236.06,3423 4577,3533
Mechanical 1:
  the board outline again, w15

## Text inside footprints (layer, text, board x,y; h text height)
FPC_1: Top Overlay "24" at 3763,2305 h39.37 r180; Top Overlay "1" at 4212.8,2303.44 h39.37 r180
J1: Top Overlay "USB" at 3082,2948 h39.37 r270
J2: Top Overlay "USB" at 4703.47,2808 h39.37 r90